# KiCad board mtk64_R_rev2.kicad_pcb (continued)
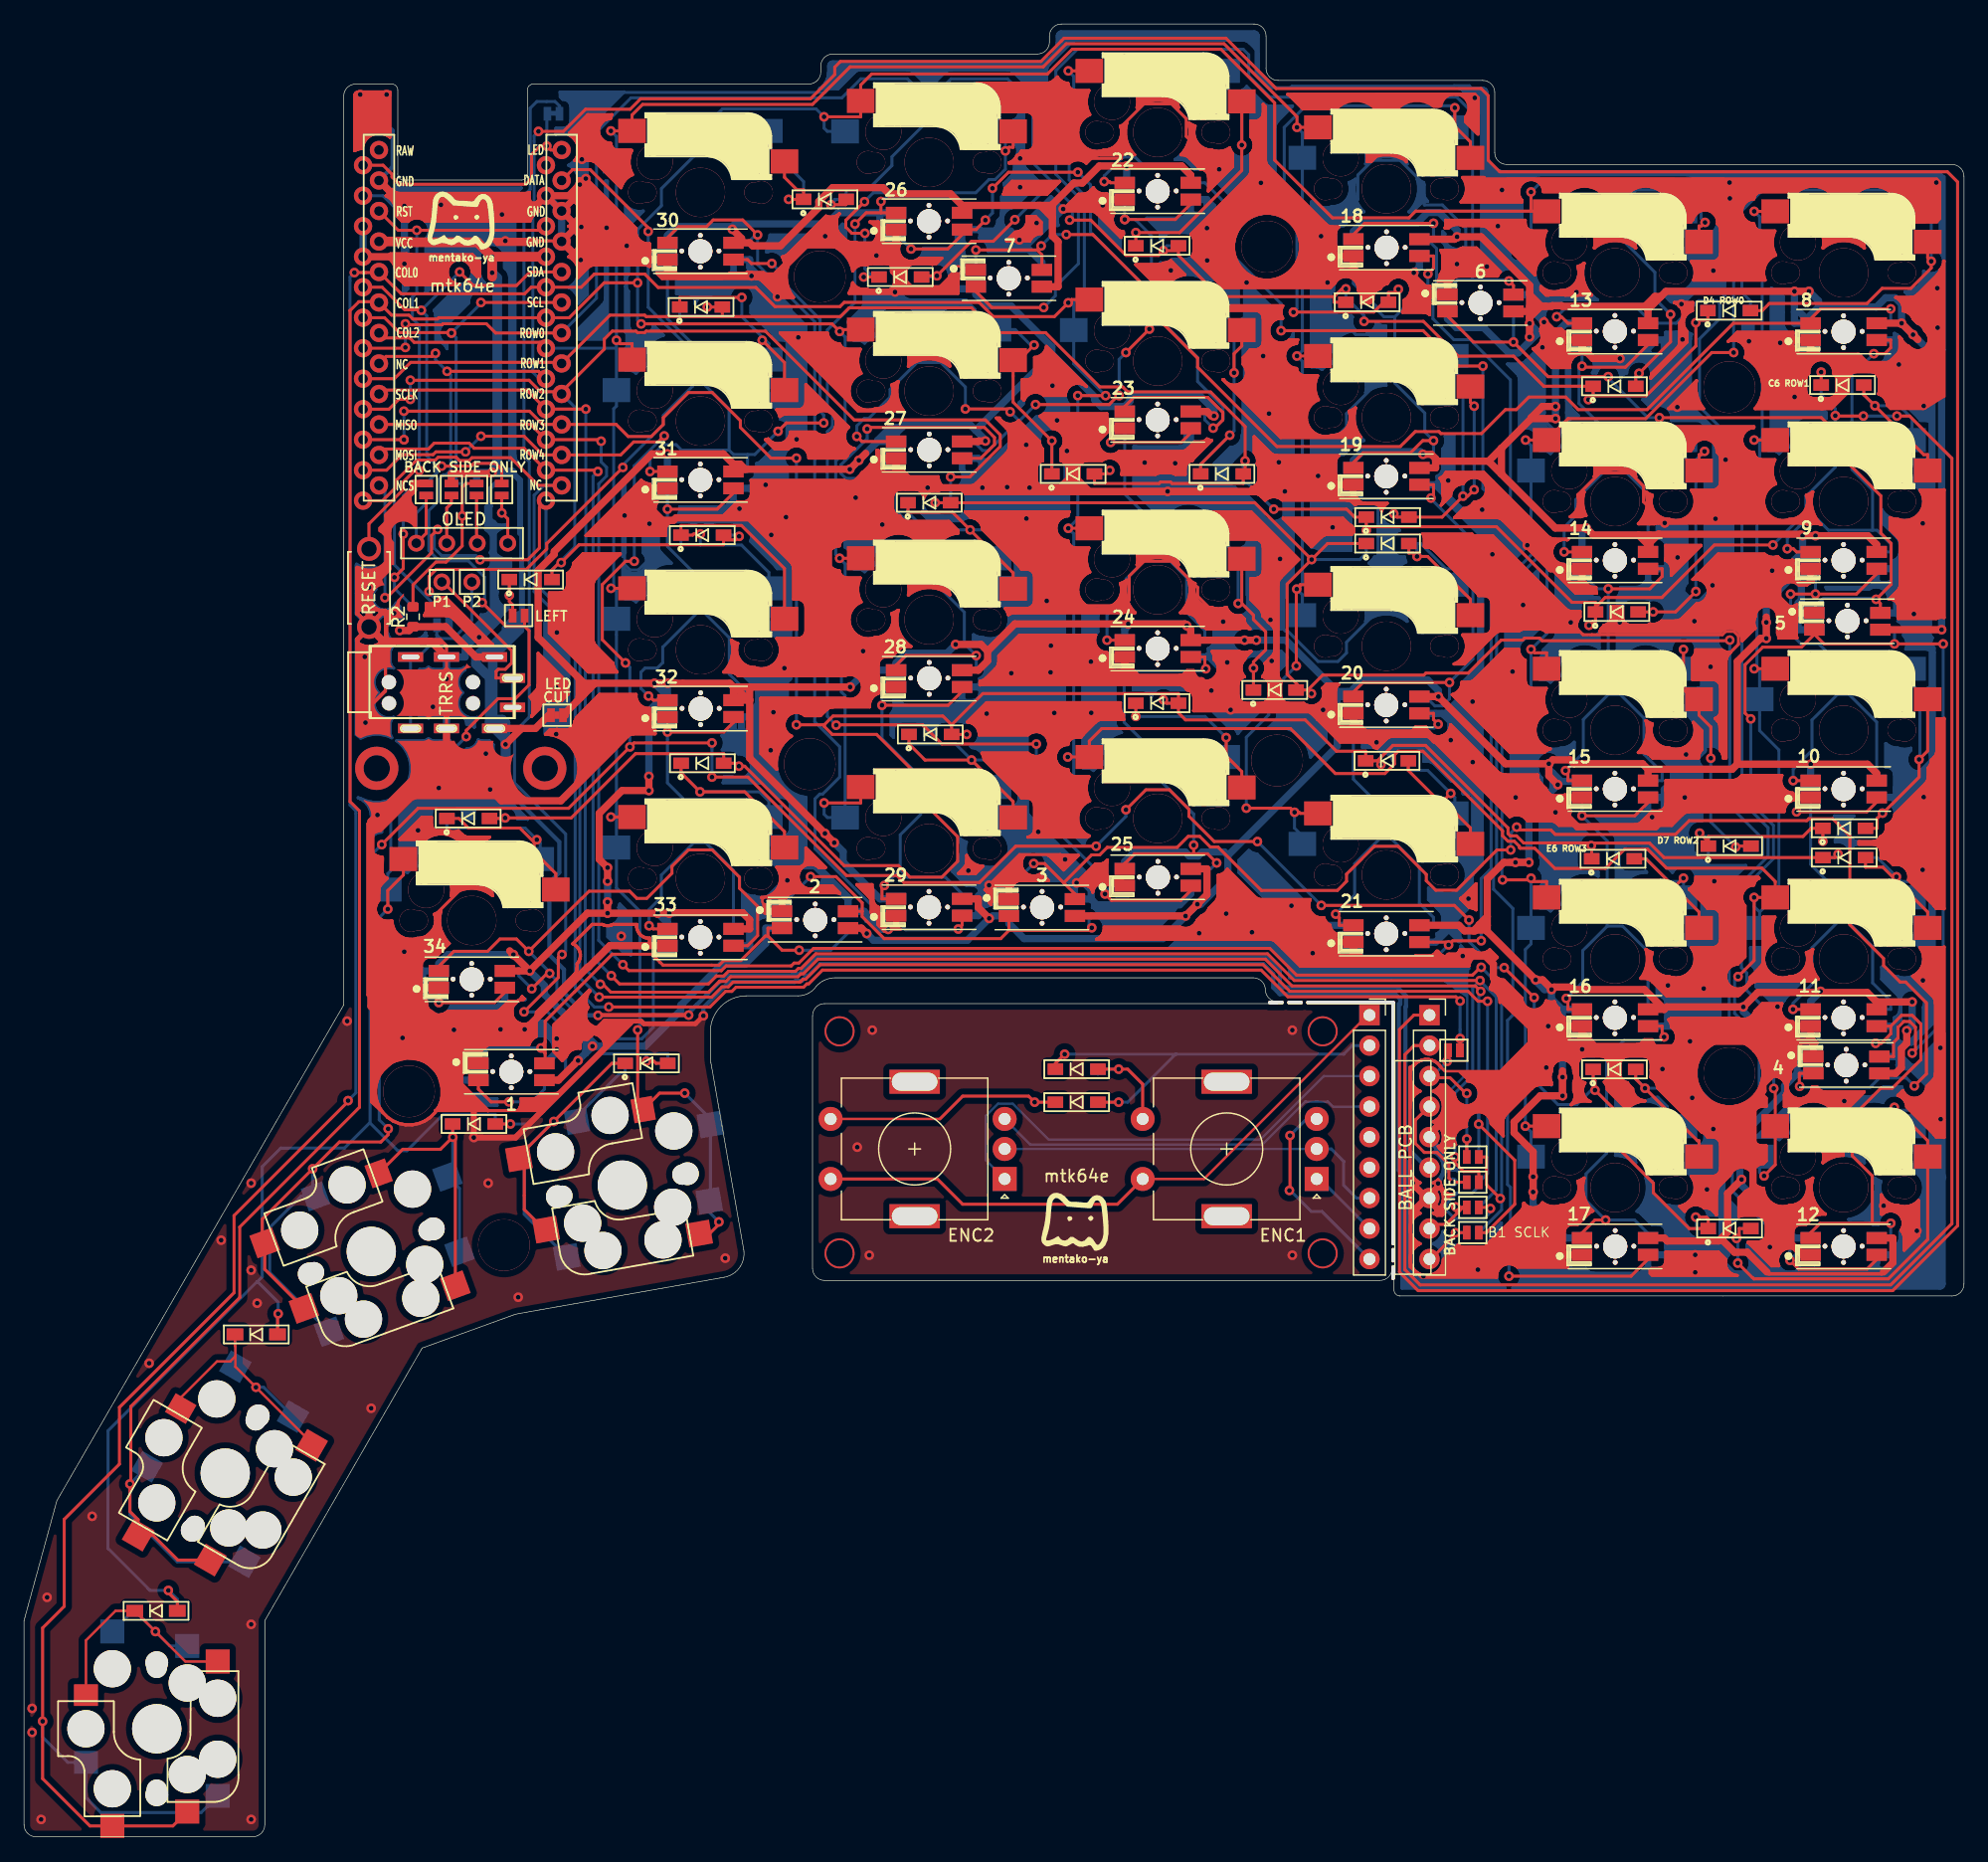
[diagram p0: board, top side]
## Routing (per net, layer and track width the routed paths; a pad name or vN(x,y) marks a point on that pad's centre or on a via; arc(x,y) is an arc through that point) (continued)
99.34,77.96 ; 99.22,77.82 99.19,77.79 ; 99.22,77.82 99.19,77.79 ; 99.22,77.82 99.34,77.96 ; 99.34,77.96 99.43,78.12 ; 99.34,77.96 99.43,78.12 ; 72.83,100.59 73.03,100.1 ; 72.83,100.59 72.72,101.11 ; 72.83,100.59 73.03,100.1 ; 72.83,100.59 72.72,101.11 ; 73.03,100.1 73.32,99.66 ; 73.03,100.1 73.32,99.66 ; 99.67,80.13 99.5,80.09 ; 99.67,80.13 99.5,80.09 ; 118.02,54.42 118.06,54.22 ; 118.02,54.42 118.06,54.22 ; 118.02,54.42 118.02,54.49 ; 118.02,54.42 118.02,54.49 ; 118.06,54.22 118.14,54.04 ; 118.06,54.22 118.14,54.04 ; 105.73,130.68 106.04,131.13 ; 105.73,130.68 106.04,131.13 ; 105.73,130.68 105.34,130.29 ; 105.73,130.68 105.34,130.29 ; 106.04,131.13 106.05,131.18 ; 106.04,131.13 106.05,131.18 ; 90.23,79.85 90.22,79.73 ; 90.23,79.85 90.22,79.73 ; 90.23,79.85 90.26,79.93 ; 90.23,79.85 90.26,79.93 ; 90.22,79.73 90.22,79.55 ; 90.22,79.73 90.22,79.55 ; 117.35,73.44 117.46,73.49 ; 117.35,73.44 117.23,73.4 ; 117.35,73.44 117.23,73.4 ; 117.35,73.44 117.46,73.49 ; 117.46,73.49 117.56,73.57 ; 117.46,73.49 117.56,73.57 ; 141.3,92.49 141.29,92.6 ; 141.3,92.49 141.29,92.6 ; 141.3,92.49 141.3,92.45 ; 141.3,92.49 141.3,92.45 ; 141.29,92.6 141.24,92.74 ; 141.29,92.6 141.24,92.74 ; 71.04,115.47 71.19,115.47 ; 71.04,115.47 71.05,115.42 ; 71.04,115.47 71.05,115.42 ; 71.04,115.47 71.19,115.47 ; 71.19,115.47 71.18,115.45 ; 71.19,115.47 71.18,115.45 ; 149.77,62.1 149.9,62.06 ; 149.77,62.1 149.65,62.16 ; 149.77,62.1 149.9,62.06 ; 149.77,62.1 149.65,62.16 ; 149.9,62.06 150,62.05 ; 149.9,62.06 150,62.05 ; 129.18,61.42 129.22,61.62 ; 129.18,61.42 129.1,61.23 ; 129.18,61.42 129.1,61.23 ; 129.18,61.42 129.22,61.62 ; 129.22,61.62 129.22,61.82 ; 129.22,61.62 129.22,61.82 ; 135.25,91.91 135.25,92.44 ; 135.25,91.91 135.25,92.44 ; 135.25,91.91 135.14,91.39 ; 135.25,91.91 135.14,91.39 ; 135.25,92.44 135.14,92.96 ; 135.25,92.44 135.14,92.96 ; 149.28,137.49 148.86,137.49 ; 149.28,137.49 149.69,137.41 ; 149.28,137.49 148.86,137.49 ; 149.28,137.49 149.69,137.41 ; 148.86,137.49 148.45,137.41 ; 148.86,137.49 148.45,137.41 ; 46.08,72.37 46.08,72.41 ; 46.08,72.37 46.08,72.34 ; 46.08,72.37 46.08,72.41 ; 46.08,72.37 46.08,72.34 ; 46.08,72.41 46.08,72.72 ; 46.08,72.41 46.08,72.72 ; 135.57,64.4 135.56,64.52 ; 135.57,64.4 135.57,63.87 ; 135.57,64.4 135.56,64.52 ; 135.57,64.4 135.57,63.87 ; 135.56,64.52 135.52,64.64 ; 135.56,64.52 135.52,64.64 ; 146.19,103.22 146.27,103.03 ; 146.19,103.22 146.15,103.42 ; 146.19,103.22 146.15,103.42 ; 146.19,103.22 146.27,103.03 ; 146.27,103.03 146.38,102.86 ; 146.27,103.03 146.38,102.86 ; 48.92,140.85 48.98,140.74 ; 48.92,140.85 48.88,140.97 ; 48.92,140.85 48.88,140.97 ; 48.92,140.85 48.98,140.74 ; 48.98,140.74 49.06,140.64 ; 48.98,140.74 49.06,140.64 ; 137.17,115.75 137.24,116.1 ; 137.17,115.75 137.24,116.1 ; 137.17,115.75 137.38,115.66 ; 137.17,115.75 137.38,115.66 ; 137.24,116.1 137.24,116.52 ; 137.24,116.1 137.24,116.52 ; 159.67,101.59 159.47,101.55 ; 159.67,101.59 159.87,101.59 ; 159.67,101.59 159.87,101.59 ; 159.67,101.59 159.47,101.55 ; 159.47,101.55 159.32,101.49 ; 159.47,101.55 159.32,101.49 ; 109.67,111.54 109.79,111.5 ; 109.67,111.54 109.56,111.6 ; 109.67,111.54 109.56,111.6 ; 109.67,111.54 109.79,111.5 ; 109.79,111.5 109.91,111.49 ; 109.79,111.5 109.91,111.49 ; 144.31,133.94 144.41,133.87 ; 144.31,133.94 144.41,133.87 ; 144.31,133.94 144.23,134.04 ; 144.31,133.94 144.23,134.04 ; 144.41,133.87 144.52,133.81 ; 144.41,133.87 144.52,133.81 ; 144.13,136.43 144.05,136.43 ; 144.13,136.43 144.13,136.52 ; 144.13,136.43 144.13,136.52 ; 144.13,136.43 144.05,136.43 ; 144.05,136.43 143.85,136.39 ; 144.05,136.43 143.85,136.39 ; 42.66,66.66 42.58,66.62 ; 42.66,66.66 42.58,66.62 ; 42.66,66.66 42.66,67.9 ; 42.66,66.66 42.66,67.9 ; 29.38,137.98 29.56,138.16 ; 29.38,137.98 29.56,138.16 ; 29.38,137.98 29.39,137.97 ; 29.38,137.98 29.39,137.97 ; 29.56,138.16 29.57,138.14 ; 29.56,138.16 29.57,138.14 ; 147.28,61.7 147.45,61.59 ; 147.28,61.7 147.14,61.85 ; 147.28,61.7 147.45,61.59 ; 147.28,61.7 147.14,61.85 ; 147.45,61.59 147.64,61.51 ; 147.45,61.59 147.64,61.51 ; 148.96,104.51 148.77,104.43 ; 148.96,104.51 149.1,104.54 ; 148.96,104.51 148.77,104.43 ; 148.96,104.51 149.1,104.54 ; 148.77,104.43 148.6,104.32 ; 148.77,104.43 148.6,104.32 ; 117.88,129.69 117.96,129.88 ; 117.88,129.69 117.82,129.6 ; 117.88,129.69 117.82,129.6 ; 117.88,129.69 117.96,129.88 ; 117.96,129.88 118,130.08 ; 117.96,129.88 118,130.08 ; 107.29,93.57 107.17,93.67 ; 107.29,93.57 107.17,93.67 ; 141.06,58.19 140.95,58.24 ; 141.06,58.19 141.16,58.11 ; 141.06,58.19 140.95,58.24 ; 141.06,58.19 141.16,58.11 ; 140.95,58.24 140.83,58.28 ; 140.95,58.24 140.83,58.28 ; 92.08,140.7 92.37,140.26 ; 92.08,140.7 92.37,140.26 ; 92.08,140.7 91.88,141.19 ; 92.08,140.7 91.88,141.19 ; 92.37,140.26 92.53,140.11 ; 92.37,140.26 92.53,140.11 ; 159.37,93.12 159.76,93.12 ; 159.37,93.12 159.76,93.12 ; 159.37,93.12 159.37,90.49 ; 159.37,93.12 159.37,90.49 ; 159.76,93.12 159.88,93.13 ; 159.76,93.12 159.88,93.13 ; 149.08,71.27 144.5,71.27 ; 149.08,71.27 149.19,71.34 ; 149.08,71.27 149.19,71.34 ; 149.08,71.27 144.5,71.27 ; 144.5,71.27 144.45,71.27 ; 144.5,71.27 144.45,71.27 ; 119.11,57.66 118.91,57.62 ; 119.11,57.66 119.28,57.66 ; 119.11,57.66 119.28,57.66 ; 119.11,57.66 118.91,57.62 ; 118.91,57.62 118.72,57.54 ; 118.91,57.62 118.72,57.54 ; 70.23,130.93 70.23,130.93 ; 70.23,130.93 70.34,130.99 ; 70.23,130.93 70.34,130.99 ; 70.23,130.93 70.23,130.93 ; 70.23,130.93 70.06,130.96 ; 70.23,130.93 70.06,130.96 ; 148.96,119.82 149.09,119.81 ; 148.96,119.82 148.84,119.86 ; 148.96,119.82 148.84,119.86 ; 148.96,119.82 149.09,119.81 ; 149.09,119.81 150.39,119.81 ; 149.09,119.81 150.39,119.81 ; 134.24,133.03 134.24,132.61 ; 134.24,133.03 134.24,132.61 ; 134.24,133.03 134.3,133.37 ; 134.24,133.03 134.3,133.37 ; 134.24,132.61 134.29,132.35 ; 134.24,132.61 134.29,132.35 ; 89.2,137.22 89.34,137.07 ; 89.2,137.22 89.34,137.07 ; 89.2,137.22 89.1,137.36 ; 89.2,137.22 89.1,137.36 ; 89.34,137.07 89.51,136.96 ; 89.34,137.07 89.51,136.96 ; 104.16,100.67 104.08,100.8 ; 104.16,100.67 104.2,100.52 ; 104.16,100.67 104.2,100.52 ; 104.16,100.67 104.08,100.8 ; 104.08,100.8 103.99,100.92 ; 104.08,100.8 103.99,100.92 ; 72.91,131.96 72.99,131.77 ; 72.91,131.96 72.87,132.16 ; 72.91,131.96 72.99,131.77 ; 72.91,131.96 72.87,132.16 ; 72.99,131.77 73.1,131.6 ; 72.99,131.77 73.1,131.6 ; 28.25,131.79 28.26,131.81 ; 28.25,131.79 28.23,131.81 ; 28.25,131.79 28.26,131.81 ; 28.25,131.79 28.23,131.81 ; 28.26,131.81 28.44,131.63 ; 28.26,131.81 28.44,131.63 ; 67.29,118.57 67.12,118.69 ; 67.29,118.57 67.43,118.43 ; 67.29,118.57 67.12,118.69 ; 67.29,118.57 67.43,118.43 ; 67.12,118.69 66.93,118.76 ; 67.12,118.69 66.93,118.76 ; 117.27,128.59 118.47,128.59 ; 117.27,128.59 118.47,128.59 ; 117.27,128.59 117.11,128.75 ; 117.27,128.59 117.11,128.75 ; 118.47,128.59 118.47,129.44 ; 118.47,128.59 118.47,129.44 ; 147.89,66.4 148.01,66.39 ; 147.89,66.4 147.77,66.44 ; 147.89,66.4 147.77,66.44 ; 147.89,66.4 148.01,66.39 ; 148.01,66.39 148.57,66.39 ; 148.01,66.39 148.57,66.39 ; 88.65,112.19 88.76,112.09 ; 88.65,112.19 88.55,112.3 ; 88.65,112.19 88.76,112.09 ; 88.65,112.19 88.55,112.3 ; 88.76,112.09 88.89,112.02 ; 88.76,112.09 88.89,112.02 ; 120.18,99.02 120.18,99.33 ; 120.18,99.02 120.11,98.71 ; 120.18,99.02 120.18,99.33 ; 120.18,99.02 120.11,98.71 ; 120.18,99.33 120.11,99.64 ; 120.18,99.33 120.11,99.64 ; 33.03,134.82 32.83,134.86 ; 33.03,134.82 33.21,134.74 ; 33.03,134.82 33.21,134.74 ; 33.03,134.82 32.83,134.86 ; 32.83,134.86 32.62,134.86 ; 32.83,134.86 32.62,134.86 ; 134.5,84.34 134.63,84.41 ; 134.5,84.34 134.63,84.41 ; 134.5,84.34 134.35,84.3 ; 134.5,84.34 134.35,84.3 ; 134.63,84.41 134.74,84.51 ; 134.63,84.41 134.74,84.51 ; 51.08,75.59 51.16,75.4 ; 51.08,75.59 51.16,75.4 ; 51.08,75.59 51.04,75.79 ; 51.08,75.59 51.04,75.79 ; 51.16,75.4 51.27,75.23 ; 51.16,75.4 51.27,75.23 ; 108.07,108.27 108.05,108.24 ; 108.07,108.27 108.12,108.31 ; 108.07,108.27 108.05,108.24 ; 108.07,108.27 108.12,108.31 ; 108.05,108.24 107.28,107.47 ; 108.05,108.24 107.28,107.47 ; 72.38,110.53 72.42,110.41 ; 72.38,110.53 72.42,110.41 ; 72.38,110.53 72.37,110.65 ; 72.38,110.53 72.37,110.65 ; 72.42,110.41 72.47,110.3 ; 72.42,110.41 72.47,110.3 ; 67.04,124.9 67.15,124.73 ; 67.04,124.9 67.15,124.73 ; 67.04,124.9 66.96,125.09 ; 67.04,124.9 66.96,125.09 ; 67.15,124.73 67.3,124.59 ; 67.15,124.73 67.3,124.59 ; 71.34,99.95 71.61,100.06 ; 71.34,99.95 71.06,99.89 ; 71.34,99.95 71.06,99.89 ; 71.34,99.95 71.61,100.06 ; 71.61,100.06 71.86,100.22 ; 71.61,100.06 71.86,100.22 ; 81.88,115.27 81.91,115.31 ; 81.88,115.27 81.91,115.31 ; 81.88,115.27 81.85,115.24 ; 81.88,115.27 81.85,115.24 ; 81.91,115.31 81.97,115.38 ; 81.91,115.31 81.97,115.38 ; 71.61,119.11 71.86,119.27 ; 71.61,119.11 71.34,119 ; 71.61,119.11 71.86,119.27 ; 71.61,119.11 71.34,119 ; 71.86,119.27 72.06,119.48 ; 71.86,119.27 72.06,119.48 ; 33.51,75.01 33.76,75.17 ; 33.51,75.01 33.24,74.9 ; 33.51,75.01 33.24,74.9 ; 33.51,75.01 33.76,75.17 ; 33.76,75.17 33.96,75.38 ; 33.76,75.17 33.96,75.38 ; 136.04,101.04 136.23,101.12 ; 136.04,101.04 135.84,101 ; 136.04,101.04 135.84,101 ; 136.04,101.04 136.23,101.12 ; 136.23,101.12 136.4,101.23 ; 136.23,101.12 136.4,101.23 ; 135.14,92.96 135.14,92.97 ; 135.14,92.96 135.14,92.97 ; 135.14,92.97 135.36,92.82 ; 135.14,92.97 135.36,92.82 ; 126.87,87.15 126.98,86.98 ; 126.87,87.15 126.98,86.98 ; 126.87,87.15 126.81,87.29 ; 126.87,87.15 126.81,87.29 ; 126.98,86.98 127.13,86.83 ; 126.98,86.98 127.13,86.83 ; 98.61,110.37 102.23,110.37 ; 98.61,110.37 102.23,110.37 ; 98.61,110.37 98.66,110.32 ; 98.61,110.37 98.66,110.32 ; 102.23,110.37 106.2,106.39 ; 102.23,110.37 106.2,106.39 ; 91.35,93.95 91.36,93.83 ; 91.35,93.95 91.35,94.47 ; 91.35,93.95 91.36,93.83 ; 91.35,93.95 91.35,94.47 ; 91.36,93.83 91.4,93.71 ; 91.36,93.83 91.4,93.71 ; 72.06,100.43 72.23,100.67 ; 72.06,100.43 72.23,100.67 ; 72.06,100.43 71.86,100.22 ; 72.06,100.43 71.86,100.22 ; 72.23,100.67 72.34,100.94 ; 72.23,100.67 72.34,100.94 ; 29.77,79.36 29.72,79.3 ; 29.77,79.36 29.8,79.38 ; 29.77,79.36 29.72,79.3 ; 29.77,79.36 29.8,79.38 ; 29.72,79.3 29.68,79.24 ; 29.72,79.3 29.68,79.24 ; 87.08,110.35 87.02,110.24 ; 87.08,110.35 87.09,110.37 ; 87.08,110.35 87.02,110.24 ; 87.08,110.35 87.09,110.37 ; 87.02,110.24 86.98,110.12 ; 87.02,110.24 86.98,110.12 ; 156.45,50.61 156.53,50.8 ; 156.45,50.61 156.39,50.52 ; 156.45,50.61 156.39,50.52 ; 156.45,50.61 156.53,50.8 ; 156.53,50.8 156.57,51 ; 156.53,50.8 156.57,51 ; 143.23,78.74 143.15,78.55 ; 143.23,78.74 143.34,78.91 ; 143.23,78.74 143.15,78.55 ; 143.23,78.74 143.34,78.91 ; 143.15,78.55 143.11,78.35 ; 143.15,78.55 143.11,78.35 ; 150.97,120.21 151.01,120.33 ; 150.97,120.21 150.92,120.1 ; 150.97,120.21 151.01,120.33 ; 150.97,120.21 150.92,120.1 ; 151.01,120.33 151.02,120.45 ; 151.01,120.33 151.02,120.45 ; 108.61,108.49 108.58,108.49 ; 108.61,108.49 108.58,108.49 ; 108.61,108.49 108.65,108.49 ; 108.61,108.49 108.65,108.49 ; 108.58,108.49 108.46,108.47 ; 108.58,108.49 108.46,108.47 ; 158.28,72.97 158.28,73.28 ; 158.28,72.97 158.28,73.28 ; 158.28,72.97 158.21,72.66 ; 158.28,72.97 158.21,72.66 ; 158.28,73.28 158.21,73.59 ; 158.28,73.28 158.21,73.59 ; 119.16,129.89 119.06,129.8 ; 119.16,129.89 119.28,129.96 ; 119.16,129.89 119.06,129.8 ; 119.16,129.89 119.28,129.96 ; 119.06,129.8 118.97,129.7 ; 119.06,129.8 118.97,129.7 ; 119.18,61.82 119.21,61.62 ; 119.18,61.82 119.18,61.89 ; 119.18,61.82 119.21,61.62 ; 119.18,61.82 119.18,61.89 ; 119.21,61.62 119.29,61.44 ; 119.21,61.62 119.29,61.44 ; 79.76,80.84 79.88,80.84 ; 79.76,80.84 79.48,80.9 ; 79.76,80.84 79.48,80.9 ; 79.76,80.84 79.88,80.84 ; 79.88,80.84 79.29,80.25 ; 79.88,80.84 79.29,80.25 ; 143.23,115.86 143.35,115.69 ; 143.23,115.86 143.16,116.04 ; 143.23,115.86 143.16,116.04 ; 143.23,115.86 143.35,115.69 ; 143.35,115.69 143.49,115.54 ; 143.35,115.69 143.49,115.54 ; 66.02,79.06 66.19,79.17 ; 66.02,79.06 65.83,78.98 ; 66.02,79.06 65.83,78.98 ; 66.02,79.06 66.19,79.17 ; 66.19,79.17 66.24,79.22 ; 66.19,79.17 66.24,79.22 ; 145.06,106.8 145.23,106.69 ; 145.06,106.8 145.23,106.69 ; 145.06,106.8 145.01,106.84 ; 145.06,106.8 145.01,106.84 ; 145.23,106.69 145.41,106.61 ; 145.23,106.69 145.41,106.61 ; 73.88,104.56 74.23,104.8 ; 73.88,104.56 73.67,104.47 ; 73.88,104.56 73.67,104.47 ; 73.88,104.56 74.23,104.8 ; 29.29,61.82 29.4,61.28 ; 29.29,61.82 29.29,62.36 ; 29.29,61.82 29.4,61.28 ; 29.29,61.82 29.29,62.36 ; 29.4,61.28 29.61,60.77 ; 29.4,61.28 29.61,60.77 ; 134.75,66.09 134.85,66.18 ; 134.75,66.09 134.63,66.03 ; 134.75,66.09 134.85,66.18 ; 134.75,66.09 134.63,66.03 ; 134.85,66.18 134.94,66.29 ; 134.85,66.18 134.94,66.29 ; 99.07,108.4 99.14,108.75 ; 99.07,108.4 99.28,108.31 ; 99.07,108.4 99.28,108.31 ; 99.07,108.4 99.14,108.75 ; 99.14,108.75 99.14,109.17 ; 99.14,108.75 99.14,109.17 ; 150.09,51.86 149.68,51.86 ; 150.09,51.86 149.68,51.86 ; 150.09,51.86 149.9,51.99 ; 150.09,51.86 149.9,51.99 ; 149.68,51.86 149.65,51.87 ; 149.68,51.86 149.65,51.87 ; 158.21,73.59 158.09,73.88 ; 158.21,73.59 158.09,73.88 ; 158.09,73.88 157.97,74.07 ; 158.09,73.88 157.97,74.07 ; 115.93,130.28 115.93,130.08 ; 115.93,130.28 115.97,130.48 ; 115.93,130.28 115.93,130.08 ; 115.93,130.28 115.97,130.48 ; 115.93,130.08 115.97,129.88 ; 115.93,130.08 115.97,129.88 ; 148.82,122.5 148.74,122.31 ; 148.82,122.5 148.74,122.31 ; 148.82,122.5 148.93,122.67 ; 148.82,122.5 148.93,122.67 ; 148.74,122.31 148.7,122.11 ; 148.74,122.31 148.7,122.11 ; 33.53,69.62 33.52,69.59 ; 33.53,69.62 33.47,69.64 ; 33.53,69.62 33.47,69.64 ; 33.53,69.62 33.52,69.59 ; 33.52,69.59 33.52,69.39 ; 33.52,69.59 33.52,69.39 ; 128.33,105.34 128.32,105.13 ; 128.33,105.34 128.48,105.5 ; 128.33,105.34 128.48,105.5 ; 128.33,105.34 128.32,105.13 ; 128.32,105.13 127.75,105.13 ; 128.32,105.13 127.75,105.13 ; 128.32,105.13 127.75,105.13 ; 128.32,105.13 128.33,105 ; 128.32,105.13 128.33,105 ; 128.32,105.13 127.75,105.13 ; 84.74,114.59 84.63,114.53 ; 84.74,114.59 84.86,114.63 ; 84.74,114.59 84.63,114.53 ; 84.74,114.59 84.86,114.63 ; 84.63,114.53 84.53,114.45 ; 84.63,114.53 84.53,114.45 ; 128.51,47.52 128.59,47.46 ; 128.51,47.52 128.43,47.62 ; 128.51,47.52 128.59,47.46 ; 128.51,47.52 128.43,47.62 ; 128.59,47.46 124.43,47.46 ; 128.59,47.46 124.43,47.46 ; 119.47,49.28 119.54,49.22 ; 119.47,49.28 119.23,49.04 ; 119.47,49.28 119.54,49.22 ; 119.47,49.28 119.23,49.04 ; 119.54,49.22 119.65,49.16 ; 119.54,49.22 119.65,49.16 ; 97.26,114.63 97.14,114.59 ; 97.26,114.63 97.34,114.63 ; 97.26,114.63 97.14,114.59 ; 97.26,114.63 97.34,114.63 ; 97.14,114.59 97.03,114.53 ; 97.14,114.59 97.03,114.53 ; 72.4,120.28 72.4,120.57 ; 72.4,120.28 72.34,119.99 ; 72.4,120.28 72.4,120.57 ; 72.4,120.28 72.34,119.99 ; 72.4,120.57 72.34,120.86 ; 72.4,120.57 72.34,120.86 ; 72.98,132.73 72.91,132.56 ; 72.98,132.73 72.91,132.56 ; 72.98,132.73 72.97,132.74 ; 72.98,132.73 72.97,132.74 ; 72.91,132.56 72.87,132.36 ; 72.91,132.56 72.87,132.36 ; 134.24,84.29 134.35,84.3 ; 134.24,84.29 134.2,84.29 ; 134.24,84.29 134.2,84.29 ; 134.24,84.29 134.35,84.3 ; 40.37,69.59 40.91,69.59 ; 40.37,69.59 40.91,69.59 ; 40.37,69.59 39.76,68.98 ; 40.37,69.59 39.76,68.98 ; 40.91,69.59 41.03,69.6 ; 40.91,69.59 41.03,69.6 ; 35.39,83.46 34.98,83.54 ; 35.39,83.46 35.78,83.3 ; 35.39,83.46 35.78,83.3 ; 35.39,83.46 34.98,83.54 ; 34.98,83.54 34.56,83.54 ; 34.98,83.54 34.56,83.54 ; 82.65,117.78 82.82,117.9 ; 82.65,117.78 82.82,117.9 ; 82.65,117.78 82.46,117.71 ; 82.65,117.78 82.46,117.71 ; 82.82,117.9 82.88,117.96 ; 82.82,117.9 82.88,117.96 ; 53.84,109.49 53.73,109.43 ; 53.84,109.49 53.96,109.53 ; 53.84,109.49 53.96,109.53 ; 53.84,109.49 53.73,109.43 ; 53.73,109.43 53.63,109.35 ; 53.73,109.43 53.63,109.35 ; 135.58,111.37 135.58,111.08 ; 135.58,111.37 135.63,111.66 ; 135.58,111.37 135.58,111.08 ; 135.58,111.37 135.63,111.66 ; 135.58,111.08 135.63,110.79 ; 135.58,111.08 135.63,110.79 ; 155,122.78 155.04,122.77 ; 155,122.78 155.04,122.77 ; 155,122.78 154.82,122.78 ; 155,122.78 154.82,122.78 ; 155.04,122.77 155.08,122.78 ; 155.04,122.77 155.08,122.78 ; 117.19,91.55 117.06,91.62 ; 117.19,91.55 117.31,91.45 ; 117.19,91.55 117.31,91.45 ; 117.19,91.55 117.06,91.62 ; 117.06,91.62 116.91,91.66 ; 117.06,91.62 116.91,91.66 ; 41.5,69.98 41.5,69.98 ; 41.5,69.98 41.5,69.98 ; 41.5,69.98 41.44,69.87 ; 41.5,69.98 41.44,69.87 ; 41.5,69.98 41.64,69.83 ; 41.5,69.98 41.64,69.83 ; 68.56,104.86 69.68,104.86 ; 68.56,104.86 68.44,104.87 ; 68.56,104.86 69.68,104.86 ; 68.56,104.86 68.44,104.87 ; 69.68,104.86 69.55,104.54 ; 69.68,104.86 69.55,104.54 ; 88.55,112.3 88.49,112.42 ; 88.55,112.3 88.49,112.42 ; 124.64,136.52 124.76,136.35 ; 124.64,136.52 124.56,136.71 ; 124.64,136.52 124.56,136.71 ; 124.64,136.52 124.76,136.35 ; 124.76,136.35 124.8,136.31 ; 124.76,136.35 124.8,136.31 ; 135.91,110.28 136.11,110.07 ; 135.91,110.28 135.74,110.52 ; 135.91,110.28 136.11,110.07 ; 135.91,110.28 135.74,110.52 ; 136.11,110.07 136.36,109.91 ; 136.11,110.07 136.36,109.91 ; 86.76,120.06 84.98,120.06 ; 86.76,120.06 86.76,120.15 ; 86.76,120.06 86.76,120.15 ; 86.76,120.06 84.98,120.06 ; 84.98,120.06 84.94,120.11 ; 84.98,120.06 84.94,120.11 ; 109.32,114.77 109.28,114.65 ; 109.32,114.77 109.38,114.88 ; 109.32,114.77 109.38,114.88 ; 109.32,114.77 109.28,114.65 ; 109.28,114.65 109.27,114.53 ; 109.28,114.65 109.27,114.53 ; 59.04,98.61 59.04,99.14 ; 59.04,98.61 58.94,98.09 ; 59.04,98.61 59.04,99.14 ; 59.04,98.61 58.94,98.09 ; 59.04,99.14 58.94,99.66 ; 59.04,99.14 58.94,99.66 ; 59.93,109.97 59.82,109.99 ; 59.93,109.97 60.07,109.93 ; 59.93,109.97 60.07,109.93 ; 59.93,109.97 59.82,109.99 ; 59.82,109.99 59.78,109.99 ; 59.82,109.99 59.78,109.99 ; 72.53,95.9 72.53,95.92 ; 72.53,95.9 72.53,95.92 ; 110.63,74.65 110.63,74.67 ; 110.63,74.65 110.63,74.67 ; 110.63,74.65 109.43,74.65 ; 110.63,74.65 109.43,74.65 ; 110.62,111.22 110.49,111.29 ; 110.62,111.22 110.74,111.13 ; 110.62,111.22 110.74,111.13 ; 110.62,111.22 110.49,111.29 ; 110.49,111.29 110.35,111.34 ; 110.49,111.29 110.35,111.34 ; 139.5,89.95 139.5,89.86 ; 139.5,89.95 139.54,90.15 ; 139.5,89.95 139.5,89.86 ; 139.5,89.95 139.54,90.15 ; 139.5,89.86 135.7,89.86 ; 139.5,89.86 135.7,89.86 ; 140.32,116.4 140.12,116.44 ; 140.32,116.4 140.12,116.44 ; 62.41,130.02 62.61,130.06 ; 62.41,130.02 62.2,130.02 ; 62.41,130.02 62.61,130.06 ; 62.41,130.02 62.2,130.02 ; 62.61,130.06 62.79,130.14 ; 62.61,130.06 62.79,130.14 ; 28.49,141.4 28.34,141.17 ; 28.49,141.4 28.68,141.59 ; 28.49,141.4 28.68,141.59 ; 28.49,141.4 28.34,141.17 ; 28.34,141.17 28.23,140.91 ; 28.34,141.17 28.23,140.91 ; 51.59,74.97 51.78,74.89 ; 51.59,74.97 51.42,75.08 ; 51.59,74.97 51.42,75.08 ; 51.59,74.97 51.78,74.89 ; 51.78,74.89 51.98,74.85 ; 51.78,74.89 51.98,74.85 ; 70.79,118.9 70.89,118.94 ; 70.79,118.9 70.49,118.84 ; 70.79,118.9 70.89,118.94 ; 70.79,118.9 70.49,118.84 ; 70.89,118.94 71.06,118.94 ; 70.89,118.94 71.06,118.94 ; 67.12,94.07 67.11,94.06 ; 67.12,94.07 67.26,94.11 ; 67.12,94.07 67.11,94.06 ; 67.12,94.07 67.26,94.11 ; 67.11,94.06 66.98,93.99 ; 67.11,94.06 66.98,93.99 ; 29.39,77.77 29.31,77.58 ; 29.39,77.77 29.31,77.58 ; 29.39,77.77 29.51,77.94 ; 29.39,77.77 29.51,77.94 ; 29.31,77.58 29.27,77.38 ; 29.31,77.58 29.27,77.38 ; 74.92,124.88 75,125.3 ; 74.92,124.88 75,125.3 ; 145.3,53.06 145.52,52.84 ; 145.3,53.06 145.52,52.84 ; 145.3,53.06 145.13,53.32 ; 145.3,53.06 145.13,53.32 ; 145.52,52.84 145.78,52.67 ; 145.52,52.84 145.78,52.67 ; 133.54,60.62 131.93,62.23 ; 133.54,60.62 133.74,60.81 ; 133.54,60.62 131.93,62.23 ; 133.54,60.62 133.74,60.81 ; 131.93,62.23 131.93,62.29 ; 131.93,62.23 131.93,62.29 ; 149.01,48.35 148.99,48.35 ; 149.01,48.35 149.01,48.6 ; 149.01,48.35 149.01,48.6 ; 149.01,48.35 148.99,48.35 ; 148.99,48.35 148.99,48.33 ; 148.99,48.35 148.99,48.33 ; 143.3,70.73 143.47,70.85 ; 143.3,70.73 143.47,70.85 ; 143.3,70.73 143.11,70.66 ; 143.3,70.73 143.11,70.66 ; 143.47,70.85 143.61,70.99 ; 143.47,70.85 143.61,70.99 ; 84.94,120.11 84.77,120.22 ; 84.94,120.11 84.77,120.22 ; 72.53,134 72.53,134.02 ; 72.53,134 72.53,134.02 ; 72.53,134 71.33,134 ; 72.53,134 71.33,134 ; 72.53,134.02 72.79,134.02 ; 72.53,134.02 72.79,134.02 ; 42.39,93.68 42.39,94.48 ; 42.39,93.68 42.39,94.48 ; 42.39,93.68 42.38,93.55 ; 42.39,93.68 42.38,93.55 ; 42.39,94.48 42.38,94.6 ; 42.39,94.48 42.38,94.6 ; 48.3,67.52 48.11,67.44 ;